# KiCad board RUST_Motherboard.kicad_pcb (continued)
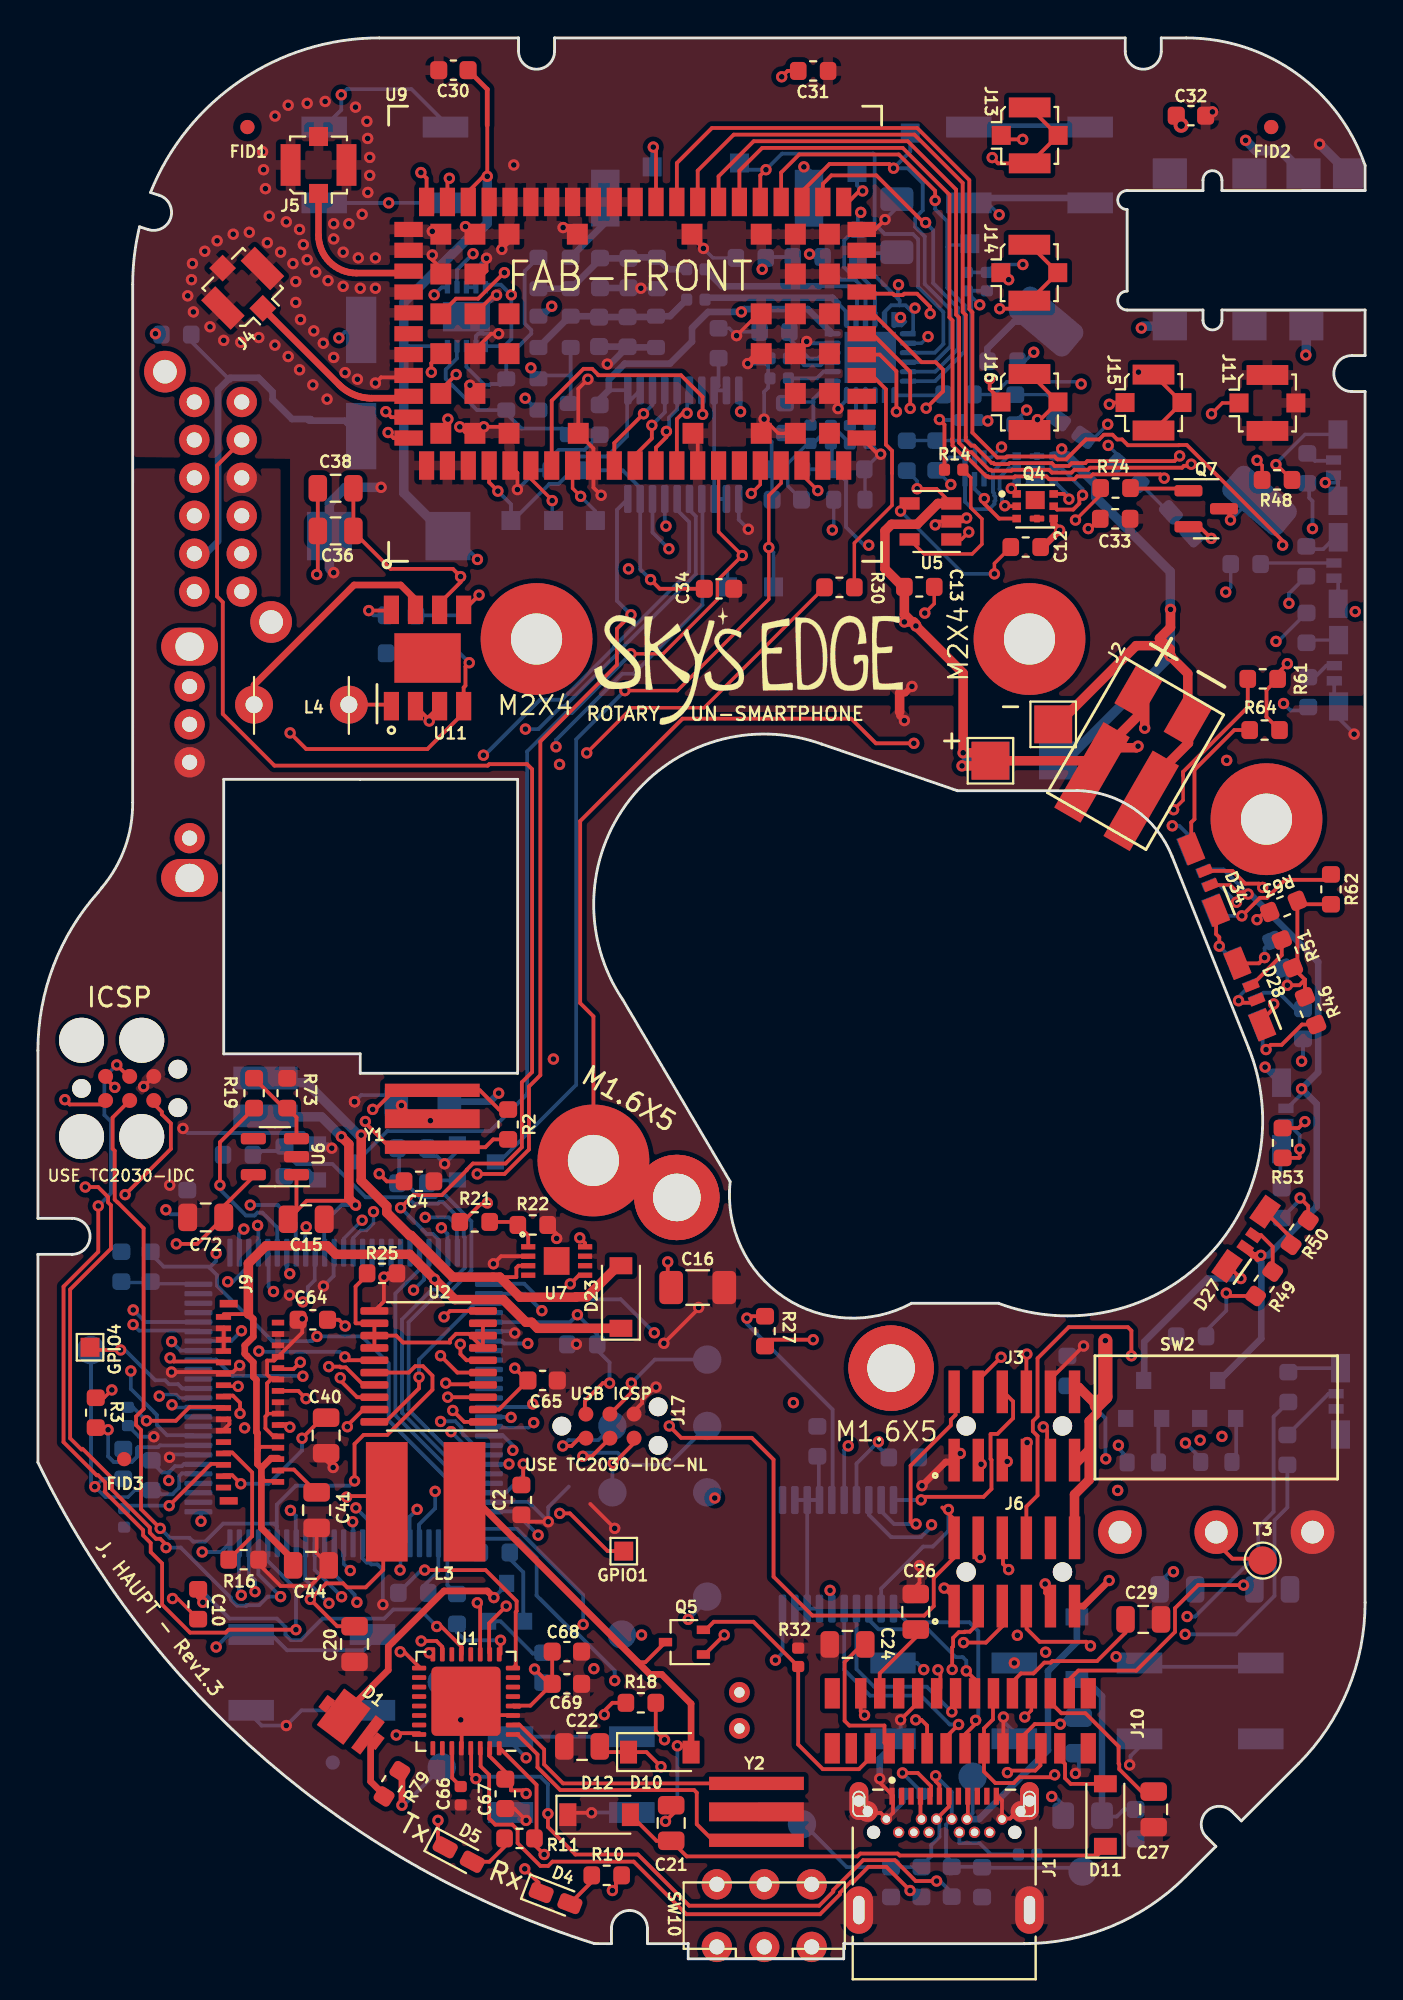
[diagram p0: board, top side]
## Routing (per net, layer and track width the routed paths; a pad name or vN(x,y) marks a point on that pad's centre or on a via; arc(x,y) is an arc through that point) (continued)
Net-(C8-Pad1): length 11.3
  L1_GND+GNDA.Cu w0.2: 47.42,7.4 48.05,8.03 48.05,8.6
  L6_GND.Cu w0.2: 47.55,7.24 47.55,6.43 47.12,6 47.12,5.42 46.6,4.9 ; 40.35,7.15 42.66,4.84 C8.1 ; R7.2 45.06,4.84
Net-(C9-Pad1): length 13.6
  L1_GND+GNDA.Cu w0.2: 47.55,8.6 47.55,9.16 47.35,9.36 v1(47.35,9.65)
  L6_GND.Cu w0.2: 48.2,7.4 48.2,8.8 v1(47.35,9.65) ; 48.2,7.38 47.9,7.08 47.9,5.4 48.4,4.9 ; 48.05,4.55 48.1,4.5 48.1,4.55 ; 55.1,4.8 49.83,4.8 ; R6.2 49.85,4.85 ; 48.23,4.53 48.2,4.5
Net-(C14-Pad1): length 21.7
  L6_GND.Cu w0.2: 10.15,83.23 7.75,85.63
  L6_GND.Cu w0.35: 14.3,81.11 16.19,81.11 16.9,80.4 ; 8.7,73.95 9.5,74.75 9.5,82.74 10.14,83.38 11.64,83.38 12.38,82.64 12.38,82.22 13.4,81.2 14.4,81.2
Net-(C49-Pad1): length 6.4
  L6_GND.Cu w0.18: 40.61,79.91 39.55,78.85 39.55,77.67 C49.1
  L6_GND.Cu w0.2: 41.85,80.86 40.9,79.91 ; 42.83,79.91 41.88,80.86
Net-(D1-A): length 3.3
  L1_GND+GNDA.Cu w0.35: 18.3,8.6 17.55,9.35 17.55,11.6
Net-(D1-K): length 13.4
  L1_GND+GNDA.Cu w0.2: 15.22,13.44 16.11,13.44
  L1_GND+GNDA.Cu w0.35: v1(24.05,19.05) 23.7,19.4 21.42,19.4 18.48,16.46 18.48,15.23 16.1,12.85
  L6_GND.Cu w0.2: 24.75,19.75 v1(24.05,19.05)
Net-(D2-A): length 3.3
  L6_GND.Cu w0.18: D2.2 53.83,81.89 53.24,82.49 R17.1
Net-(D2-K): length 12.3
  L1_GND+GNDA.Cu w0.18: U5.1 48.71,74.85 v1(49.1,75.24)
  L4_GND.Cu w0.18: v1(56.42,80.92) 56.11,80.92 50.4,75.21 49.45,75.21 49.43,75.24 v1(49.1,75.24)
  L6_GND.Cu w0.18: v1(56.42,80.92) 55.73,80.23 D2.1
Net-(D3-A): length 22.4
  L1_GND+GNDA.Cu w0.2: 49.05,8.6 49.05,7.45 ; 46.55,8.6 46.55,7.55
  L2_3v3+GNDA.Cu w0.2: 46.6,7.4 46.6,8.2 46.9,8.5 49,8.5 49,7.38
  L6_GND.Cu w0.2: VBUS1.1 49.3,7.67 J1.B4
  L6_GND.Cu w0.35: D3.2 54.8,16.7 53.27,15.17 53.27,11 49.64,7.37 J1.B4
Net-(D3-K): length 9.9
  L6_GND.Cu w0.2: 56.1,7.5 56.9,7.5 57.27,7.88 C7.1
  L6_GND.Cu w0.35: 56.12,7.55 56.12,13.85 55.24,14.73 D3.1
Net-(D4-A): length 2
  L1_GND+GNDA.Cu w0.2: D4.2 29.5,4.35
Net-(D4-K): length 18.6
  L1_GND+GNDA.Cu w0.2: v1(24.7,18.6) 23.8,17.7 23.8,16.15 ; v1(25.68,4.74) 26.4,4.02 26.4,3.5
  L4_GND.Cu w0.2: v1(24.7,18.6) 25.2,18.1 25.2,5.22 v1(25.68,4.74)
Net-(D5-A): length 2.3
  L1_GND+GNDA.Cu w0.2: 24.8,6.1 23.82,5.12 D5.2
Net-(D5-K): length 16.6
  L1_GND+GNDA.Cu w0.2: 21.5,5.9 21.1,6.3 v1(21.1,7.3) ; 23.33,16.1 23.33,18.62 v1(23.17,18.78)
  L4_GND.Cu w0.2: v1(21.1,7.3) 21.1,13.92 23.17,16 v1(23.17,18.78)
Net-(D6-A): length 4.8
  L6_GND.Cu w0.2: R15.1 50.09,84.72
  L6_GND.Cu w0.35: 50.08,84.27 50.08,84.92 51.49,86.34 D6.2
Net-(D6-K): length 2.2
  L1_GND+GNDA.Cu w0.18: v1(62.9,75.88) 62.9,76.13 Q7.3
  L6_GND.Cu w0.18: 63.92,76.89 v1(62.9,75.88)
Net-(D10-A): length 25.9
  L1_GND+GNDA.Cu w0.2: v1(33.73,11.23) 34.12,11.23 ; 31.64,15.64 32.04,15.64 Q5.3 ; v1(33.1,7.25) 33.95,8.1
  L1_GND+GNDA.Cu w0.35: 23.2,24.08 32.28,15 32.9,15 34.45,13.45 D10.2
  L6_GND.Cu w0.2: v1(33.73,11.23) 33.73,7.88 v1(33.1,7.25)
Net-(D11-K): length 26.3
  L1_GND+GNDA.Cu w0.2: D12.2 32.63,6.22 C21.1 34.22,5.4 43.23,5.4 43.38,5.55 45.34,5.55 45.45,5.45 55.87,5.45 56.35,5.93
Net-(D16-A1): length 126.3
  L4_GND.Cu w0.5: SW10.5 35.85,6.39 35.85,13.07 35.87,13.1 39.45,13.1 40.9,11.65 58.37,11.65 65.03,18.31 65.03,24.1 67.6,26.67 67.6,50.28 67.4,50.48 67.4,63.82 67.03,64.19 67.03,66.11 58.6,74.53 43.84,74.53 v1(43.82,74.55)
  L6_GND.Cu w0.2: v1(43.82,74.55) 43.58,74.55 42.62,75.5 42.62,77.94 C47.1 D16.1 ; 41.88,79.89 41.88,78.68
Net-(D17-A1): length 8.7
  L6_GND.Cu w0.35: R67.2 29.55,86.62 ; C60.1 31.09,86.57 ; 28.05,86.62 R66.2 ; L7.1 33.34,86.62 D17.1 ; C62.1 32.56,86.59
Net-(D18-A1): length 8.7
  L6_GND.Cu w0.35: 31.2,89.72 D18.1 33.27,89.1 L8.1 ; 29.65,89.62 R72.2 R68.2 ; C61.1 29.66,89.67
Net-(D22-A): length 2.2
  L6_GND.Cu w0.18: 59.64,76.28 R44.1
Net-(D23-A): length 27.8
  L1_GND+GNDA.Cu w0.2: U7.3 25.34,36.55 25.23,36.44 25.23,35.95 24,35.95
  L1_GND+GNDA.Cu w0.5: 30.6,36.55 28.96,34.91 28.39,34.91 28.37,34.89 25.42,34.89 24.36,35.95 21.88,35.95 19.68,38.15 19.6,38.15 18.4,39.35 18.4,39.69 17.05,41.04 v1(17.05,43.44)
  L6_GND.Cu w0.5: v1(17.05,43.44) 16.91,43.44 14.15,46.2 12.2,46.2
Net-(D25-A1): length 2.9
  L6_GND.Cu w0.2: R45.1 66.31,50.09 65.45,50.95 64.65,50.95 64.3,50.6
Net-(D25-A2): length 4.6
  L1_GND+GNDA.Cu w0.2: R46.1 66.67,49.27 65.6,48.2 65.02,48.2 v1(64.77,47.95)
  L6_GND.Cu w0.2: v1(64.77,47.95) 64.59,48.13 64.59,49.26
Net-(D25-K1): length 45.8
  L1_GND+GNDA.Cu w0.18: D34.2 62.89,56.63 63.26,56.26 63.72,56.26 v1(63.83,56.15)
  L1_GND+GNDA.Cu w0.2: v1(63.33,50.52) 63.43,50.42 64.11,50.42
  L1_GND+GNDA.Cu w0.35: D27.2 64.09,37.1 v1(64.5,37.1) 64.33,36.93
  L2_3v3+GNDA.Cu w0.2: v1(66.65,45.88) 65.37,47.16 65.37,48.4 63.33,50.45 v1(63.33,50.52)
  L6_GND.Cu w0.18: D25.2 63.33,50.72 v1(63.33,50.52)
  L6_GND.Cu w0.2: 65.91,44.88 66.65,45.61 v1(66.65,45.88) ; 61.76,57.45 62.53,57.45 v1(63.83,56.15)
  L6_GND.Cu w0.35: 62.25,30.44 64.52,32.71 64.52,36.73 64.4,36.85 64.4,37.05 64.48,37.12 ; v1(63.83,56.15) 63.95,56.15 67.52,52.58 67.52,46.75 v1(66.65,45.88) 67.45,45.08 67.45,39.67 64.88,37.1 v1(64.5,37.1)
Net-(D25-K2): length 46.2
  L1_GND+GNDA.Cu w0.2: 64.58,49.53 65.18,50.13 v1(65.18,50.36) ; 62.79,36.53 v1(63.45,35.88) ; D34.4 62.14,54.04 62.31,53.87 v1(62.31,53.4)
  L3_3v8+GNDA.Cu w0.2: v1(65.18,50.36) 65.58,50.36 65.87,50.65 ; D33.4 60.78,58.8 v1(59.83,59.75) ; 62.85,53.67 62.58,53.67 v1(62.31,53.4)
  L3_3v8+GNDA.Cu w0.35: v1(63.45,35.88) 63.45,38.5 65.23,40.27 65.23,46.97 65.98,47.72 65.98,50.55 65.87,50.65 65.71,50.65 62.85,53.51 62.85,53.67 62.5,54.02 62.5,55.4 61.48,56.42 61.48,57.86 D33.4 ; 65.23,46.52 v1(64.73,47.02)
  L6_GND.Cu w0.2: 63.21,52.51 v1(62.31,53.4) ; 61.04,58.91 60.2,59.75 v1(59.83,59.75)
  L6_GND.Cu w0.35: v1(63.45,35.88) 61.69,35.88 58.35,32.54 58.35,30.44 ; 65.52,46.22 v1(64.73,47.02)
Net-(D26-A1): length 1.4
  L6_GND.Cu w0.2: 68.3,79 67.35,79 67,79.35
Net-(D26-A2): length 5.1
  L1_GND+GNDA.Cu w0.18: v1(65.3,78.8) 65.33,78.8 R48.1
  L6_GND.Cu w0.18: v1(65.3,78.8) 65.3,78.86 66.83,80.39 D26.3
Net-(D27-A1): length 2.5
  L1_GND+GNDA.Cu w0.2: R49.1 65.13,37.55 64.51,38.16 D27.1
Net-(D27-A2): length 1.9
  L1_GND+GNDA.Cu w0.2: D27.3 66.1,38.03
Net-(D28-A1): length 3.1
  L1_GND+GNDA.Cu w0.2: R51.1 65.6,52.93 64.01,51.33
Net-(D28-A2): length 2.6
  L1_GND+GNDA.Cu w0.2: D28.3 64.4,52.5 v1(64.7,52.8)
  L6_GND.Cu w0.2: R52.1 64.7,53.3 v1(64.7,52.8)
Net-(D29-A1): length 3
  L1_GND+GNDA.Cu w0.2: R53.1 66.51,42.24 66.55,42.27 v1(66.55,42.7)
  L6_GND.Cu w0.2: v1(66.55,42.7) 66.55,43.44 65.91,44.07
Net-(D29-A2): length 2
  L6_GND.Cu w0.2: 65.53,40.7 65.53,42.72
Net-(D30-A1): length 3.8
  L6_GND.Cu w0.18: 64.55,73.61 D30.1
Net-(D30-A2): length 1.8
  L6_GND.Cu w0.2: 67.04,74.34 67.79,74.34 68.55,75.1
Net-(D31-A1): length 1.7
  L6_GND.Cu w0.2: 67.05,67.28 67.96,68.2 68.35,68.2
Net-(D31-A2): length 1.6
  L6_GND.Cu w0.18: D31.3 67.05,69.54
Net-(D32-A1): length 3.5
  L6_GND.Cu w0.2: R59.1 68.08,29.8 68.5,29.8
Net-(D32-A2): length 2.6
  L6_GND.Cu w0.2: 68.73,31.15 66.16,31.15
Net-(D33-A1): length 16.6
  L1_GND+GNDA.Cu w0.18: v1(59.9,60.6) 60.4,61.1 60.4,62.4
  L1_GND+GNDA.Cu w0.2: R61.1 63.81,66.01 60.4,62.59 60.4,62.4
  L3_3v8+GNDA.Cu w0.18: v1(63.22,55.72) 61.89,57.05 61.89,58.45 59.9,60.44 v1(59.9,60.6)
  L6_GND.Cu w0.18: D33.1 62.29,56.64 v1(63.22,55.72)
Net-(D33-A2): length 6.3
  L1_GND+GNDA.Cu w0.2: v1(63.5,55) 64.45,55.95 64.83,55.95 65.78,56.9 67.91,56.9
  L6_GND.Cu w0.2: 62.4,55 v1(63.5,55)
Net-(D34-A1): length 5.8
  L1_GND+GNDA.Cu w0.2: 64.69,55.19 v1(64.3,54.8) ; v1(64.6,56.5) 64.4,56.7 63.67,56.7 63,57.37 D34.1
  L2_3v3+GNDA.Cu w0.2: v1(64.3,54.8) 64.6,55.1 v1(64.6,56.5)
Net-(D34-A2): length 8
  L1_GND+GNDA.Cu w0.2: D34.3 60.83,59.93 61,60.1 61,62.7 63.1,64.8 R64.1
Net-(J1-CC1): length 3.8
  L1_GND+GNDA.Cu w0.2: v1(45.6,9.8) 46.41,9.8 47.1,9.11 47.1,8.6
  L6_GND.Cu w0.2: v1(45.6,9.8) 46.64,8.77
Net-(J1-CC2): length 4
  L6_GND.Cu w0.2: R4.1 50.27,5.5 49.67,6.1 48.6,6.1 48.6,6.69
Net-(J2-Pin_1): length 49.2
  L1_GND+GNDA.Cu w0.5: 58.95,62.38 60.68,64.11 60.68,64.97 ; v1(59.73,68.7) 59.17,69.25 57.92,69.25 53.77,65.1 ; v1(59.73,68.7) 59.73,69.06 59.16,69.63 59.74,70.21 v1(59.74,71.16) ; v1(59.73,68.7) 60.65,67.78 60.65,65.32
  L3_3v8+GNDA.Cu w0.18: v1(54,79.62) 52.1,79.62 50.23,77.75 v1(48.15,77.75)
  L6_GND.Cu w0.18: 47.41,78.49 v1(48.15,77.75) ; 53.62,79.25 v1(54,79.62)
  L6_GND.Cu w0.2: U3.4 48.07,79.17 C11.2
  L6_GND.Cu w0.5: 54.23,63.2 v1(59.73,68.7) 59.73,73.15 55.8,77.08 55.8,77.75 54.3,79.25 Q3.4
Net-(J8-Pad2): length 46.9
  L2_3v3+GNDA.Cu w0.2: v1(20.9,87.75) 21.45,87.75 21.6,87.6 21.6,87 25.7,82.9 v1(25.7,82.3)
  L2_3v3+GNDA.Cu w0.5: v1(58.2,86) 57.75,85.55 49.8,85.55 49.17,86.17 47.62,84.62 42.2,84.62 40.83,86 40.25,86 39.07,84.82 28.23,84.82 v1(25.7,82.3)
  L6_GND.Cu w0.2: 26.33,81.67 v1(25.7,82.3) ; v1(20.9,87.75) 21.3,88.15 U13.1
  L6_GND.Cu w0.5: v1(58.2,86) 58.3,86.1 59.85,86.1
Net-(J8-Pad4): length 102.1
  L4_GND.Cu w0.5: SW10.6 41.71,4.82 54.2,4.82 69,19.62 69,63.31 68.7,63.61 68.7,64.36 68.32,64.73 68.32,73.72 68.12,73.92 68.12,76.15 66.87,77.4 v1(66.87,84.57)
  L6_GND.Cu w0.5: J8.4 66.9,84.6 v1(66.87,84.57)
Net-(MK1-+): length 130
  L4_GND.Cu w0.5: MK1.2 38.23,10.92 58.56,10.92 65.8,18.16 65.8,21.34 65.68,21.46 65.68,23.31 68.25,25.88 68.25,50.01 68.35,50.11 68.35,62.51 68.05,62.81 68.05,64.09 67.67,64.46 67.67,73.45 66.35,74.78 66.35,74.84 66,75.19 66,80.88 62.5,84.38 57.9,84.38 55.2,87.07 55.2,93.2 57.9,95.9 v1(63.7,95.9)
  L6_GND.Cu w0.5: J8.12 65.55,95.35 64.25,95.35 v1(63.7,95.9)
Net-(MK1--): length 107.8
  L4_GND.Cu w0.5: v1(41.9,75.35) 41.9,74.7 42.75,73.85 55.92,73.85 66.75,63.02 66.75,50.35 65.6,49.2 65.6,38.95 66.9,37.65 66.9,27.07 64.38,24.56 64.38,18.58 59.8,14 59.73,14.07 56.73,14.07 56.7,14.05 MK1.1
  L6_GND.Cu w0.18: R35.1 41.98,75.42 v1(41.9,75.35)
Net-(Q1-D): length 46.8
  L1_GND+GNDA.Cu w0.18: U9.18 39.2,77.82 38.55,77.17 v1(38.55,74.42) 38.55,71.7 33.73,66.88 v1(30.96,66.88)
  L6_GND.Cu w0.18: T15.1 38.8,74.17 v1(38.55,74.42)
  L6_GND.Cu w0.2: v1(30.96,66.88) 28.39,64.31 28.39,46.09 24.23,41.92
Net-(Q1-G): length 1.8
  L6_GND.Cu w0.2: 22.12,41.05 20.35,41.05
Net-(Q2-D): length 52.1
  L1_GND+GNDA.Cu w0.18: v1(31.28,68.82) 32.97,68.82 35.84,71.69 35.84,72.69 v1(37.15,74) 35.9,75.25 U9.15
  L6_GND.Cu w0.18: v1(37.15,74) 36.37,73.23 T14.1
  L6_GND.Cu w0.2: 16.73,41.95 18.42,43.65 23.85,43.65 25.8,45.6 25.8,63.66 27.84,65.7 28.16,65.7 v1(31.28,68.82)
Net-(Q2-G): length 1.9
  L6_GND.Cu w0.2: 13,41.56 14.28,41.56 14.75,41.1
Net-(Q3-D-Pad1): length 0.9
  L1_GND+GNDA.Cu w0.2: v1(51.34,77.54) 51.34,77.54 51.62,77.25
  L6_GND.Cu w0.2: 51.62,77.95 51.34,77.67 v1(51.34,77.54)
Net-(Q3-D-Pad2): length 3.3
  L1_GND+GNDA.Cu w0.2: 51.62,76.6 51.03,76.6 v1(51,76.63)
  L6_GND.Cu w0.2: 51.62,78.6 51.2,78.6 50.72,78.12 50.72,77.5 50.79,77.43 50.79,77.32 50.85,77.26 50.85,76.78 v1(51,76.63)
Net-(Q3-D-Pad5): length 4.4
  L1_GND+GNDA.Cu w0.2: v1(55.1,77.19) 54.93,77.02 54.93,76.75 54.61,76.43 53.75,76.43 Q4.5
  L6_GND.Cu w0.2: Q3.5 54,78.6 55.1,77.5 v1(55.1,77.19)
Net-(Q3-D-Pad6): length 2.2
  L1_GND+GNDA.Cu w0.2: Q4.6 54.1,77.25 v1(54.38,76.98)
  L6_GND.Cu w0.2: v1(54.38,76.98) 54.38,77.15 Q3.6
Net-(Q3-G): length 6.4
  L6_GND.Cu w0.2: U3.3 48.9,76.84 49.29,76.45 50.18,76.45 50.45,76.72 50.45,76.86 50.5,76.91 50.5,77.11 50.44,77.17 50.44,77.29 50.37,77.35 50.37,78.42 51.2,79.25 51.62,79.25
Net-(Q4-G): length 3.5
  L1_GND+GNDA.Cu w0.2: v1(49.92,77.01) 49.92,76.74 50.7,75.95 51.62,75.95
  L6_GND.Cu w0.2: U3.2 49.4,77.52 v1(49.92,77.01)
Net-(Q6-B): length 3.6
  L6_GND.Cu w0.2: 25.6,17.8 25.6,20.38 24.87,21.11
Net-(Q7-B): length 2.9
  L1_GND+GNDA.Cu w0.2: 57.65,77.54 60.52,77.54
Net-(Q8-B): length 2.1
  L6_GND.Cu w0.2: 63.2,26.42 63.2,28.56
Net-(Q9-B): length 2.2
  L6_GND.Cu w0.2: R43.1 59.1,28.36
Net-(R2-Pad1): length 28.1
  L1_GND+GNDA.Cu w0.18: v1(3.9,30) 3.49,29.59 R3.1
  L1_GND+GNDA.Cu w0.2: R2.1 24.33,44.79 23.31,45.8 21.7,45.8 ; 18.8,45.8 17.8,44.8 v1(17.66,44.8)
  L2_3v3+GNDA.Cu w0.2: v1(3.9,30) 4.68,30 5.45,30.77 5.45,31.95 11.63,38.13 11.82,38.13 16.58,42.89 17.37,42.89 18.2,43.72 18.2,44.25 v1(17.66,44.8)
Net-(R20-Pad1): length 9.2
  L2_3v3+GNDA.Cu w0.2: 8.35,78.1 5.6,80.85 5.6,82.8 5.35,83.05 5.35,84.35 5.38,84.37 5.38,84.88 v1(6.2,85.7)
Net-(R69-Pad2): length 9.6
  L6_GND.Cu w0.2: 28,80.38 27.67,80.7 25.5,80.7 24.7,81.5 ; R70.1 23.16,81.67 21.51,83.32 21.51,83.81 22.1,84.4 U13.9
Net-(T1-Pad1): length 2.1
  L1_GND+GNDA.Cu w0.2: 42.75,92.65 43.33,93.23 v1(43.5,93.23)
  L6_GND.Cu w0.2: v1(43.5,93.23) 43.2,93.53 T1.1
Net-(U1-D+): length 32.6
  L1_GND+GNDA.Cu w0.2: v1(23.1,9.5) 22.85,9.75 22.85,11.12 ; v1(47.4,4.1) 46.3,4.1 45.2,5.2 43.52,5.2 41.95,3.63 41.95,3.55 41.21,2.8 34.35,2.8 31.65,5.5 28.35,5.5 26.9,6.95 v1(26.9,7.65)
  L6_GND.Cu w0.2: v1(47.4,4.1) 47.58,4.1 48.1,3.58 ; v1(23.1,9.5) 23.2,9.6 26.51,9.6 26.9,9.21 v1(26.9,7.65)
Net-(U1-D-): length 30.8
  L1_GND+GNDA.Cu w0.2: v1(46,3.6) 44.75,4.85 43.8,4.85 43.02,4.07 42.89,4.07 42.3,3.48 42.3,3.4 41.25,2.35 34.2,2.35 31.43,5.12 27.14,5.12 26.91,4.9 26.5,4.9 25.3,6.1 25.3,6.8 25.03,7.07 24.13,7.07 23.8,7.4 23.8,9.7 23.35,10.15 23.35,11.12
  L6_GND.Cu w0.2: v1(46,3.6) 46.35,3.6
Net-(U1-PC0/XTAL2): length 15.2
  L1_GND+GNDA.Cu w0.2: 25.08,12.35 25.39,12.35 26.7,11.04 26.7,10.25 27.7,9.25 38.5,9.25
Net-(U1-UCAP): length 2.3
  L1_GND+GNDA.Cu w0.2: C66.1 21.85,9.53 21.85,11.2
Net-(U1-XTAL1): length 14
  L1_GND+GNDA.Cu w0.2: 25.28,11.85 26.35,10.78 26.35,10.1 27.55,8.9 34.61,8.9 34.75,8.76 34.75,7.1 35.6,6.25
Net-(U2-A6): length 12.8
  L1_GND+GNDA.Cu w0.2: U2.13 18.89,32.86 19.26,32.5 21.73,32.5 21.73,32.64 22.05,32.96 22.73,32.96 U2.7 U2.8 U2.9 ; U2.13 U2.12 16.77,33.52 16.75,33.54 16.75,35.45 17.36,36.06 ; U2.13 U2.14
Net-(U3-BAT): length 4.3
  L6_GND.Cu w0.18: 45.84,80.07 C11.1 49.06,80.07 49.4,79.73 U3.5
Net-(U3-V-): length 3.4
  L3_3v8+GNDA.Cu w0.18: v1(50.1,81.1) 50.83,80.38 v1(50.83,79.72)
  L6_GND.Cu w0.18: 49.58,81.15 50.05,81.15 v1(50.1,81.1) ; v1(50.83,79.72) 50.27,79.17 U3.6
Net-(U4-PD7): length 3.9
  L6_GND.Cu w0.18: 5.9,35.66 4.45,35.66 ; 8.44,35.6 5.96,35.6
Net-(U4-XTAL1): length 31.3
  L1_GND+GNDA.Cu w0.2: R2.2 24.01,43.21 23.6,42.8 20.9,42.8 ; 18.55,42.8 17.27,44.08 v1(17.27,44.16)
  L2_3v3+GNDA.Cu w0.2: v1(17.27,44.16) 17.21,44.1 14.65,44.1 10,39.45 10,37.02 9.63,36.65 9.55,36.65 4.9,32 v1(4.9,31)
  L6_GND.Cu w0.2: 8.16,27.61 6.81,27.61 6.28,28.15 6.28,28.67 4.9,30.05 v1(4.9,31)
Net-(U4-XTAL2): length 7.6
  L1_GND+GNDA.Cu w0.2: R3.2 3.59,28.01 v1(3.7,27.9)
  L6_GND.Cu w0.2: U4.33 6.43,27.07 6.34,26.98 5.28,26.98 5.22,26.92 5.22,26.47 4.95,26.2 4,26.2 3.7,26.5 v1(3.7,27.9)
Net-(U5-PROG): length 8.7
  L1_GND+GNDA.Cu w0.18: R14.2 49.21,78.11 49.21,76.52 49.79,75.94 49.79,74.6 49.27,74.09 46.74,74.09 U5.5
Net-(U6-EN): length 4.1
  L1_GND+GNDA.Cu w0.2: 12.97,44.86 R19.1 ; R73.2 13.64,44.38 13.64,43.15
Net-(U7-V_FB): length 2.7
  L1_GND+GNDA.Cu w0.2: U7.1 25.86,38.15 R22.1 ; R21.2 25.15,38.86
Net-(U8-A6): length 10.6
  L6_GND.Cu w0.2: U8.9 U8.8 ; U8.8 U8.13 ; U8.8 U8.7 ; 41.19,26.5 41.19,24.23 ; U8.14 U8.13 ; U8.13 U8.12
Net-(U9-GPIO5): length 4
  L1_GND+GNDA.Cu w0.2: v1(32.46,95.54) 32.6,95.4 U9.42
  L6_GND.Cu w0.2: T13.1 32.4,95.49 v1(32.46,95.54)
Net-(U10-A7): length 8.8
  L6_GND.Cu w0.2: U10.8 35.9,82.95 R33.1 ; U10.8 U10.9 ; U10.8 U10.13 U10.12
Net-(U11-OUT1): length 2.2
  L1_GND+GNDA.Cu w0.2: L4.1 18.56,66.14
Net-(U11-OUT2): length 12.1
  L1_GND+GNDA.Cu w0.35: L4.2 11.4,67.17 16.67,72.45 19.13,72.45 19.92,71.67
Net-(U12-*IRQ): length 2.5
  L6_GND.Cu w0.2: 45.2,82.5 45.25,82.45 47.7,82.45
Net-(U12-MICBIAS): length 4.1
  L6_GND.Cu w0.18: 40.9,82.1 39.46,82.1
  L6_GND.Cu w0.2: 41.85,83.2 40.9,82.25 40.9,80.88
Net-(U12-MICLN): length 1.6
  L6_GND.Cu w0.2: 43.65,82.45 43.65,81.45 43.85,81.25 C51.1
Net-(U12-MICLP): length 1.8
  L6_GND.Cu w0.2: 42.9,80.88 42.9,81.2 43.15,81.45 43.15,82.55
Net-(U12-OUTN): length 10.2
  L6_GND.Cu w0.2: 41.2,88.2 42.75,88.2 43.2,87.75 43.2,86.94 43.15,86.89 U12.8
  L6_GND.Cu w0.35: 41.2,88.2 36.08,88.2 35.18,89.1
Net-(U12-OUTP): length 8.4
  L6_GND.Cu w0.2: 42.2,87.3 42.65,86.85 U12.7
  L6_GND.Cu w0.35: 42.2,87.3 41.9,87.6 35.29,87.6
Net-(U12-PREG): length 2.8
  L6_GND.Cu w0.2: 39.5,84.2 40.26,84.2 40.42,84.03 41.28,84.03 41.44,84.2 U12.3
Net-(U12-REF): length 2.9
  L6_GND.Cu w0.2: 42.01,84.71 41.46,84.71 41.13,84.38 40.68,84.38 39.64,85.43
Net-(U12-REG): length 2.8
  L6_GND.Cu w0.2: U12.2 41.44,83.7 41.09,83.35 39.58,83.35
Net-(U13A--): length 14.7
  L2_3v3+GNDA.Cu w0.2: v1(22.95,89.92) 22.95,86.27 25.32,83.9 v1(26,83.9)
  L6_GND.Cu w0.2: U13.2 22.1,89.07 v1(22.95,89.92) ; R67.1 28.1,83.5 ; 28.1,83.5 28.1,82.12 ; 28.1,83.5 26.58,83.5 ; 26.4,83.5 v1(26,83.9)
Net-(U13B--): length 11.2
  L6_GND.Cu w0.2: U13.8 22.6,83.95 23.55,83 23.82,83 23.87,83.05 24.33,83.05 24.38,83 24.7,83.32 24.7,84.39 26.02,85.71 26.02,85.89 25.67,86.24 25.67,89 R68.1

## Copper pours and planes (outline as drawn; the poured copper is in the pictures)
+3V3 on L2_3v3+GNDA.Cu: 12.8,66.1 71.7,66.1 71.8,-3.59 -0.2,-3.53 -0.15,78.6 12.8,78.6
+3V8 on L3_3v8+GNDA.Cu: 12.8,66.07 75.16,66.1 75.14,-5.36 -3.08,-5.18 -2.95,78.6 12.77,78.57
+3V8 on L5_3v8.Cu: 77.65,-6.72 -3.15,-6.28 -2.65,106.6 77.77,106.7
GND on L1_GND+GNDA.Cu: 12.8,66.1 72.8,66.1 72.8,-2.9 -1.2,-2.9 -1.2,78.6 12.8,78.6
GND on L6_GND.Cu: 74.3,-4.4 -1.7,-4.4 -1.7,-3.9 -2.2,-3.9 -2.2,78.6 -1.7,78.6 -1.7,105.6 74.3,105.6
GND on L4_GND.Cu: 76.87,-6.12 -3.92,-5.68 -3.42,107.2 77,107.3
GNDA on L1_GND+GNDA.Cu: 74.8,66.6 13.3,66.6 13.3,79.1 2.8,79.22 2.8,104.6 74.8,104.54
GNDA on L2_3v3+GNDA.Cu: 73.8,66.6 13.3,66.6 13.3,79.1 0.8,79.1 0.8,103.85 73.8,103.97
GNDA on L3_3v8+GNDA.Cu: 75.75,66.63 13.3,66.6 13.3,79.1 -0.35,79.09 -0.4,105.01 75.7,105.17

## Text on the board
B.Silkscreen: OLED | FAB-BACK | LIVE FREE AND DIAL
User.Eco1: FAB NOTES: / -Board thickness: 1.6mm / -Solder mask: black / -Silk: white / -Finish: ENIG
F.Silkscreen: ROTARY   UN-SMARTPHONE | J. HAUPT - Rev1.3 | M2X4 | M1.6X5 | FAB-FRONT
